# Altium PCB iiot_with_chip.PcbDoc (continued)
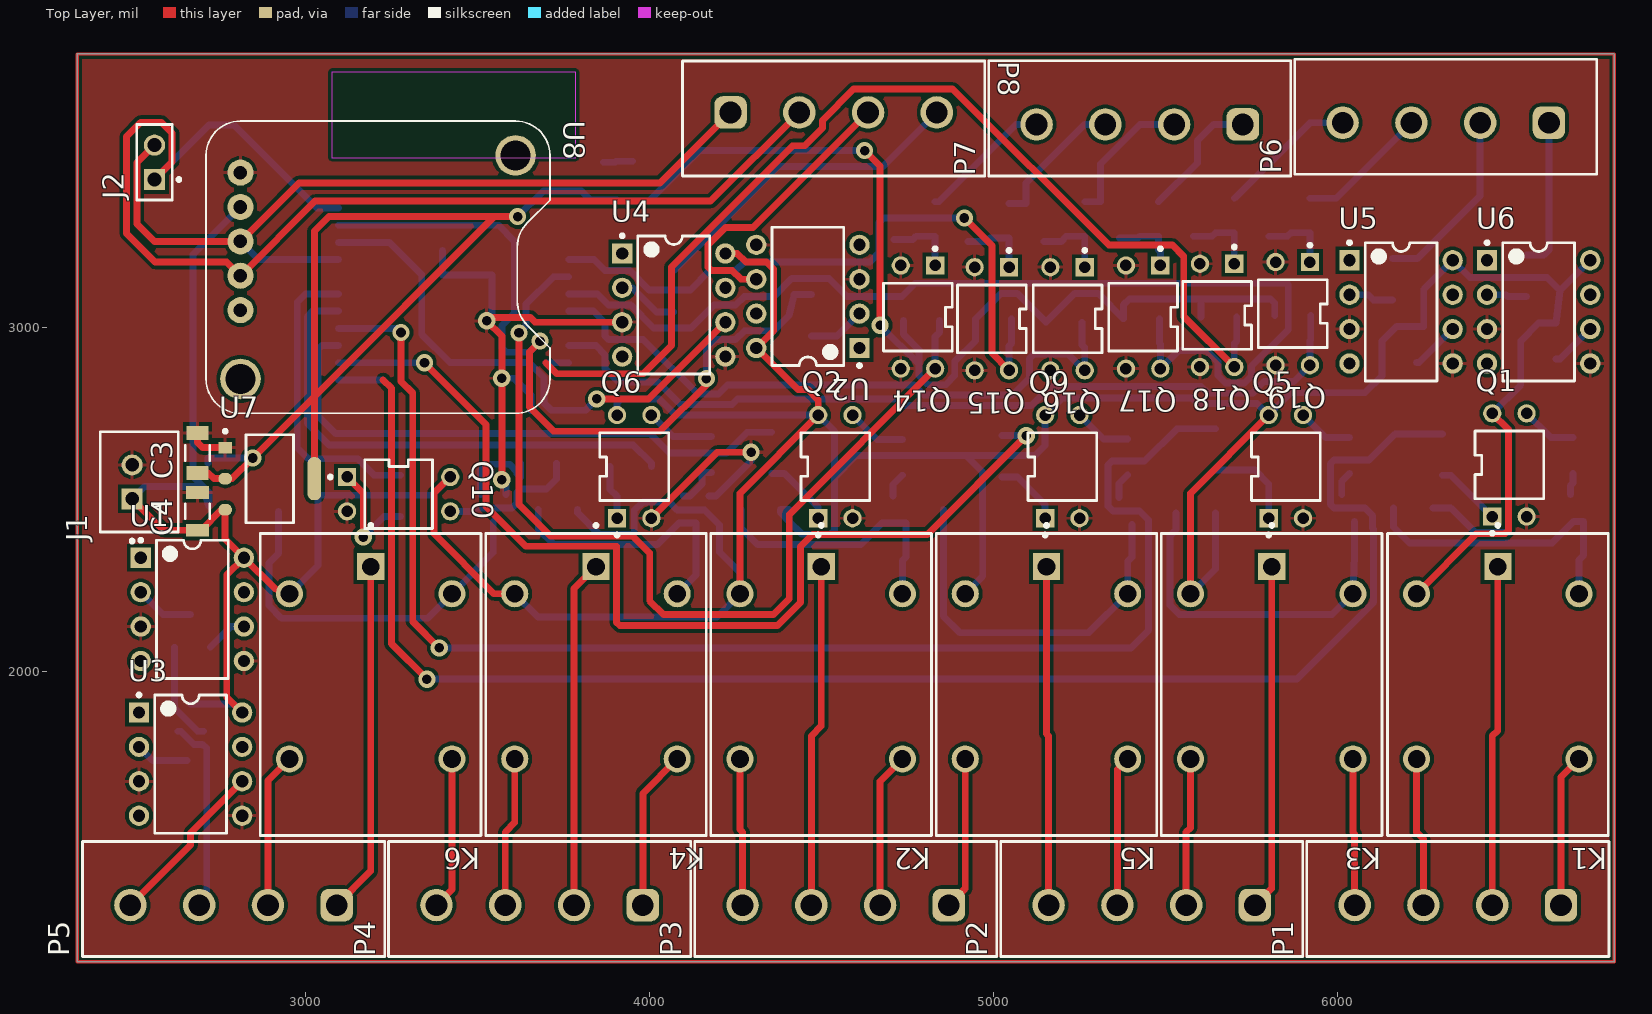
[diagram p0: Top Layer view]
## Part data
C1 C3 C5: library part CMP-06035-003589-1, "Chip Multilayer Ceramic Capacitors for General Purpose, 1206, 10uF, X7R, 15%, 10%, 25V", Capacitance=10uF, Case Code (Imperial)=1206, Case Code (Metric)=3216, Dielectric=X7R, Max Operating Temperature=125°C, Min Operating Temperature=-55°C, Package Quantity=1, Tolerance=10%, Voltage=25V, Case/Package=1206, Depth=1.6mm, Height=1.6mm, Lead Free="Lead Free", Length=3.2mm, Material=Ceramic, Mount="Surface Mount", Number of Pins=2, Packaging="Tape and Reel", Radiation Hardening=No, REACH SVHC="No SVHC", Termination=SMD/SMT, Thickness=0.071inch, Voltage Rating=25V, Voltage Rating (DC)=25V, Width=1.6mm
C2 C4 C6: library part CMP-1037-04222-2, "CAP CER 0.1UF 200V 10% X7R 1206", Capacitance="0.10 μF", Manufacturer=KEMET, Package=C1206C-EB, Temperature="-55°C to +150°C", Temperature Characteristic=X7R, Temperature Coefficient=15%, Temperature Range High=+150°C, Temperature Range Low=-55°C, Tolerance=0.1, Voltage Rating="200 V", Automotive=Yes, Automotive Grade="Grade 0", Category=Cap, ComponentLink2Description=Datasheet, ComponentLink2URL=https://content.kemet.com/datasheets/KEM_C1007_X8R_ULTRA_150C_SMD.pdf, Device Class L1="Passive Components", Device Class L2=Capacitors, Device Class L3="Ceramic Capacitors", Digikey Description="CAP CER 0.1UF 200V 10% X7R 1206", Height=0.88mm, Ipc Land Pattern Name=CAPC320160X78, Lead Free=Yes, Manufacturer Part Number=C1206C104K2RACTU, Material=Ceramic, Mouser Description="Multilayer Ceramic Capacitors MLCC - SMD/SMT 200volts 0.1uF X7R 10%", Octopart=https://octopart.com/c1206c104k2ractu-kemet-9138344, RoHS=TRUE
D1 D2 D3 D4 D5 D6: library part CMP-12389-000001-1, "Rectifier, 1Kv, 1A, Do-214Ac Rohs Compliant: Yes"
D7 D8 D9 D10 D11 D12: library part CMP-1060-00600-1, "Zener Voltage Regulator, 500 mW, 2-Pin SOD-123, Pb-Free, Tape and Reel", Manufacturer="On Semiconductor", ComponentLink1Description="Manufacturer URL", ComponentLink1URL=http://www.onsemi.com/, ComponentLink2Description=Datasheet, ComponentLink2URL=http://www.onsemi.com/pub_link/Collateral/MMSZ4678T1-D.PDF, ComponentLink3Description="Package Specification", ComponentLink3URL=http://www.onsemi.com/pub_link/Collateral/425-04.PDF, DatasheetVersion="Rev. 9", Mounting Technology="Surface Mount", P Max (W)=0.5, PackageDescription="2-Pin SOD, Body 1.6 x 2.69 mm", PackageReference=SOD-123-2-425-04, PackageVersion="Rev. G, 10/2009", Packing="Tape and Reel", PartNumber=MMSZ4683T1G, RoHS=Pb-Free, VZ Typ (V)=3
J1: library part CMP-2000-05888-3, "CONN HEADER VERT 2POS 2.5MM", Color=Natural, Contact Resistance=20mR, Current Rating=3A, Housing Color=White, Insulation Resistance=1GR, Max Operating Temperature=85°C, Max Voltage Rating (AC)=250V, Min Operating Temperature=-25°C, Connector Type="Male Pin", Contact Material=Brass, Contact Plating=Tin, Contact Type="Male Pin", Depth=5.75mm, Fastening Type=Detent, Housing Material=Polyamide, Lead Free="Lead Free", Lead Pitch=2.5mm, Length=7.4mm, Max Current Rating=3A, Max Voltage Rating (DC)=250V, Mount="Through Hole", Number of Contacts=2, Number of Positions=2, Number of Rows=1, Orientation=Straight, Packaging=Bulk, Pitch=2.5mm, REACH SVHC="No SVHC", Series=XH, Termination=Solder, Voltage Rating=250V, Voltage Rating (AC)=250V, Wire/Cable Gauge=22AWG
J2: library part CMP-15831-000105-1, "CONN HEADER VERT 2POS 2.54MM", Case/Package=SIL, Color=Black, Contact Resistance=25mR, Current=3A, Flammability Rating="UL94 V-0", Insulation Resistance=10GR, Max Operating Temperature=105°C, Min Operating Temperature=-40°C, Package Quantity=1000, Voltage=50V, Voltage Rating (AC)=750V, Connector Type="Male Pin", Contact Finish - Mating=GOLD, Contact Material=Brass, Contact Mating Length=0.24inch, Contact Plating=Gold, Contact Shape=Square, Contact Type="Male Pin", Current Rating=3A, Depth=2.54mm, Fastening Type=Pull, Gender=Male, Height=0.12inch, Housing Color=Black, Housing Material=Nylon, Insulation Color=Black, Insulation Material=Nylon, Lead Pitch=2.54mm, Length=5.08mm, Mated Stacking Heights=16.54mm, Mating Cycles=300, Max Current Rating=3A, Mount="Through Hole", Number of Contacts=2, Number of Poles=2, Number of Positions=2, Number of Rows=1, Orientation=Straight, Packaging=Bulk, Pitch=2.54mm, Radiation Hardening=No, Reach SVHC Compliant=Yes, Series=M20, Termination=Solder, Weight=0.25lb, Width=0.25inch, Working Voltage=750V
K1 K2 K3 K4 K5 K6: library part CMP-00287-00689748-1, "JS1-B-5V-F Electromechanical Relay 5VDC 69.4Ohm 5ADC/10AAC SPDT (22x16x16.4)mm THT Power Relay", Ambient Temperature Range High=85°C, Coil Current=72mA, Coil Power=360mW, Coil Resistance=69.4Ω, Coil Voltage (DC)=5V, Contact Current Rating=10A, Max Voltage Rating (AC)=250V, Max Voltage Rating (DC)=100V, Min Operating Temperature=-40°C, Coil Type=Non-Latching, Contact Material="Silver, Tin", Current Rating=10A, Depth=16mm, Height=16mm, Lead Free="Lead Free", Length=22mm, Max Current Rating=10A, Max Operating Temperature=85°C, Mount="Through Hole", NexarPartId=689748, Number of Contacts=1, Number of Pins=5, Operate Time=10ms, Packaging=Bulk, Power Consumption=360mW, Power Rating=360mW, REACH SVHC="No SVHC", Relay Type="General Purpose", Release Time=10ms, RoHS=Compliant, Switching Current=10A, Termination="PC Pin", Throw Configuration=SPDT, Voltage Rating (AC)=250V, Weight=12g, Width=22mm
MD1: library part CMP-194065-000009-1, "RX TXRX MOD WIFI TRACE ANT SMD"
P1 P2 P3 P4 P5 P6 P7 P8: library part CMP-1502-02148-2, Color=Green, Current=20A, Voltage=300V, Contact Material=Brass, Contact Plating=Tin, Gender=Male, Height=12mm, Lead Pitch=5.08mm, Length=8.5mm, Mount="Through Hole", NexarPartId=8917749, Number of Contacts=4, Number of Levels=1, Number of Pins=4, Number of Positions Per Level=4, Number of Rows=1, Orientation=Vertical, Packaging=Box, Pitch=5.08mm, REACH SVHC=Unknown, RoHS=Compliant, Termination=Solder, Width=22.32mm
Q1 Q2 Q5 Q6 Q9 Q10 Q14 Q15 Q16 Q17 Q18 Q19: library part CMP-65434-000003-1, "OPTOISOLATOR 5KV TRANS 4DIP", Case/Package=DIP, Collector Emitter Breakdown Voltage=80V, Collector Emitter Saturation Voltage=200mV, Current Transfer Ratio=600%, Forward Current=50mA, Forward Voltage=1.4V, Input Current=20mA, Isolation Voltage=5kV, Max Operating Temperature=100°C, Max Power Dissipation=200mW, Min Operating Temperature=-30°C, Package Quantity=2000, Reverse Breakdown Voltage=6V, Collector Emitter Voltage (VCEO)=80V, Fall Time=18000ns, Max Collector Current=50mA, Max Input Current=50mA, Mount="Through Hole", Number of Channels=1, Number of Elements=1, Number of Pins=4, Output Current per Channel=50mA, Output Voltage=80V, Packaging=Sleeve, Power Dissipation=200mW, Radiation Hardening=No, Rise Time=18000ns
Q3 Q4 Q7 Q8 Q11 Q12 Q13: library part CMP-14406-000007-1, "TRANS NPN 45V 0.5A SOT23", Ambient Temperature Range High=+150°C, Ambient Temperature Range Low=-65°C, Collector Base Voltage=50V, Collector Emitter Breakdown Voltage=45V, Collector Emitter Saturation Voltage=700mV, Emitter Base Voltage=5V, Manufacturer=Nexperia, Max Collector Current=500mA, Package=SOT23, Power Dissipation=250mW, Temperature="to +150°C", Unity Gain Freq=100MHz, Automotive=Yes, Automotive Grade="Grade 0", Category=Trans, Collector Emitter Voltage=45V, ComponentLink2Description=Datasheet, ComponentLink2URL=https://assets.nexperia.com/documents/data-sheet/BC817_SER.pdf, Device Class L1="Discrete Semiconductors", Device Class L2=Transistors, Device Class L3=BJTs, Digikey Description="TRANS NPN 45V 0.5A SOT23", Footprint Url=https://assets.nexperia.com/documents/outline-drawing/SOT23.pdf, Height=1.1mm, Hfe Max=600, hFE Min=250, Hfe Testic=100mA, Hfe Testvce=1V, Ipc Land Pattern Name=SOT95P230X100-3, Lead Free=Yes, Manufacturer Part Number=BC817-40,215, Max Junction Temp=+150°C, Mouser Description="BC817 Series 45 V 500 mA 250 mW SMT NPN General-Purpose Transistor - SOT-23-", Number of Elements=1, Number Of Npn=1, Octopart=https://octopart.com/bc817-40%2C215-nexperia-78739081, RoHS=TRUE, Rthja Max=500K/W, Temperature Range High=+150°C
R1 R2 R5 R6 R9 R10 R13 R15 R16 R29 R30 R31: library part CMP-02407-010853-1, "RES Thick Film, 330Ω, 1%, 0.25W, 100ppm/°C, 1206", Case Code (Imperial)=1206, Case Code (Metric)=3216, Max Operating Temperature=155°C, Max Power Dissipation=250mW, Min Operating Temperature=-55°C, Package Quantity=10000, Resistance=330R, Temperature Coefficient=100ppm/°C, Tolerance=1%, Voltage Rating=200V, Case/Package=1206, Composition="Thick Film", Features="Automotive AEC-Q200", Height=0.024inch, Lead Free="Lead Free", Length=0.126inch, Number of Terminations=2, Packaging="Tape and Reel", Power Rating=250mW, Weight=0.000353oz, Width=0.063inch
R3 R4 R7 R8 R11 R12 R14 R18 R20 R22 R24 R26 R28 R32 R33: library part CMP-2003-04807-2, "RES Thick Film, 10kΩ, 1%, 0.25W, 100ppm/°C, 1206", Case Code (Imperial)=1206, Case Code (Metric)=3216, Max Operating Temperature=155°C, Max Power Dissipation=250mW, Min Operating Temperature=-55°C, Package Quantity=10, Resistance=10kR, Temperature Coefficient=100ppm/°C, Tolerance=1%, Voltage Rating=200V, Case/Package=1206, Composition="Thick Film", Contact Plating=Tin, Depth=1.6mm, Features="Automotive AEC-Q200", Height=0.55mm, Lead Free="Lead Free", Length=3.2mm, Military Standard=Not, Number of Pins=2, Number of Terminations=2, Packaging="Tape and Reel", Power Rating=250mW, Radiation Hardening=No, Termination=SMD/SMT, Voltage Rating (DC)=200V, Weight=0.000353oz, Width=0.063inch, Working Voltage=200V
R17 R19 R21 R23 R25 R27: library part CMP-2003-04874-2, "RES SMD 1K OHM 1% 3/4W 1206", Manufacturer=Vishay, Package=CRCW1206-HPe3, Power Rating=0.75W, Resistance=1kΩ, Temperature="-55°C to +155°C", Temperature Coefficient=100ppm/°C, Temperature Range High=+155°C, Temperature Range Low=-55°C, Tolerance=1%, Voltage Rating=200V, Automotive=Yes, Automotive Grade="Grade 0", Category=Res, ComponentLink2Description=Datasheet, ComponentLink2URL=http://www.vishay.com/docs/20043/crcwhpe3.pdf, Composition="Thick Film", Device Class L1="Passive Components", Device Class L2=Resistors, Device Class L3="Chip SMD Resistors", Digikey Description="RES SMD 1K OHM 1% 3/4W 1206", Height=0.65mm, Ipc Land Pattern Name=RESC310160X50, Lead Free=Yes, Manufacturer Part Number=CRCW12061K00FKEAHP, Mouser Description="Res Thick Film 1206 1K Ohm 1% 0.75W ±100ppm/°C Molded SMD SMD Paper T/R", Octopart=https://octopart.com/crcw12061k00fkeahp-vishay-42635114, RoHS=TRUE, Series="CRCW-HP e3"
U1 U2 U3 U4 U5 U6: library part CMP-2000-05669-1, "High Speed Optocoupler, Single and Dual, 10 MBd, 5 V, -40 to 100 degC, 8-Pin DIP, RoHS, Tube", Isolation Voltage=5.3kV, Manufacturer=Vishay, Optocoupler Case Style=DIP, Package Description="8-Pin Double In-line Package, Body 10.16 x 6.7 mm, Pitch 2.54 mm", Package Reference=DIP-8, Data Rate=10Mbaud, Datasheet URL=http://www.vishay.com/docs/84732/6n137.pdf, Datasheet Version="Rev. 1.9, 03/2015", Manufacturer URL=http://www.vishay.com/, Mounting Technology=ThroughHole, No. of Channels=1Channel, No. of Pins=8Pins, Packaging=Each, Product Range=-, SVHC=ToBeAdvised
U7: library part CMP-209535-000001-1, "LDO Voltage Regulators 1A, 3.3V", Dropout Voltage=1.1V, Manufacturer="Advanced Monolithic Systems", Max Junction Temp=+125°C, Max Power Dissipation=1.2W, Max Supply Voltage=15V, Nominal Supply Current=5mA, Output Current=1A, Output Voltage=3.3V, Package=AMS1117, Temperature="-40°C to +125°C", Temperature Range Low=-40°C, Automotive=No, Category=IC, ComponentLink2Description=Datasheet, ComponentLink2URL=http://www.advanced-monolithic.com/pdf/ds1117.pdf, Device Class L1="Integrated Circuits (ICs)", Device Class L2="Power Management ICs", Device Class L3="Voltage Regulators - Linear", Height=1.8mm, Ipc Land Pattern Name=SOT229P700X180-4, Lead Free=Yes, Manufacturer Part Number=AMS1117-3.3, Number Of Outputs=1, Octopart=https://octopart.com/ams1117-3.3-advanced+monolithic+systems-25899300, Output Type=Fixed, RoHS=TRUE, Standoff Height=0.64mm, Temperature Range High=+125°C
U8: "DS1307 Real Time Clock (RTC) Timing Evaluation Board", Package=None, Availability="In Stock", Check_prices=https://www.snapeda.com/parts/3296/Adafruit+Industries/view-part/?ref=eda, MF=Adafruit, MP=3296, Price=None, Purchase-URL=https://pricing.snapeda.com/search/part/3296/?ref=eda, SnapEDA_Link=https://www.snapeda.com/parts/3296/Adafruit+Industries/view-part/?ref=snap

## Via types
v1: diameter 50, hole 28, Top Layer to Bottom Layer, 19 vias

## Nets (pads, with @x,y where several pads share a name; then routed paths per layer and width w, separated by ;. In a path a pad name is that pad's centre, name@x,y a point inside that pad or via, vN(x,y) a via of type N, cw(c..) or ccw(c..) an arc to the next point about the centre after c; other vN are vias at no path point)
+3.3: C2.1 C3.1 C5.1 C6.1 MD1.2 R18.2 R20.2 R22.2 R24.2 R26.2 R28.2 U7.2 U7.4 | length 6096
  Top Layer w20: C3.1 2716,2576.93 2732.93,2560 U7.2 2786,2560 v1(2846,2620) 3025,2799 ; U7.4 3025,2799 ; v1(3615.91,3322) 3548,3322 ; v1(4625,3514) 4670,3469 v1(4670,3006) ; 3025,2799 3548,3322 ; 3025,2799 3025,3280 3067,3322 3548,3322
  Bottom Layer w20: C2.1 2715.12,2620 v1(2846,2620) ; v1(3615.91,3322) 3691,3397.09 MD1.2 3801,3397.09 3828.09,3370 C6.1 3905,3370 3908.07,3366.93 C5.1 3998,3366.93 4145.07,3514 v1(4625,3514) ; v1(4670,3006) 4783,2893 ; R18.2 4737.79,2980 4783,2934.79 4783,2893 ; R26.2 5602.79,3083 ; R28.2 5817.79,3070 5804.79,3083 5602.79,3083 ; 4783,2893 4783,2860 4810,2833 4860,2833 4887,2860 4887,2900.21 4947.79,2961 R20.2 5021.22,3098.42 5069.37,3098.42 R22.2 5235.79,3098 5304.79,3098 R24.2 5377.79,3065.79 5395,3083 5602.79,3083
+5: C1.1 C4.1 D1.1 D2.1 D3.1 D4.1 D5.1 D6.1 J1.1 K1.2 K2.2 K3.2 K4.2 K5.2 K6.2 Q1.4 Q2.4 Q5.4 Q6.4 Q9.4 Q10.4 Q13.3 R32.2 R33.2 U1.8 U2.8 U3.8 U4.8 U5.8 U6.8 U7.3 U8.4 | length 13667.8
  Top Layer w20: J1.1 2586.69,2409.88 C4.1 2695,2409.88 2754.96,2469.84 U7.3 2765.55,2384.45 U1.8 ; U3.8 2770,1925 2770,2280 U1.8 ; K6.2 2910,2240 U1.8 ; Q10.4 3373,2518 3373,2400 3547.68,2225.32 K4.2 ; U4.8 4254.53,3215 4279.53,3190 4340,3190 4360,3170 4360,2990 U2.8 4431,2819 4460,2819 4490,2789 Q2.4 4262.56,2517.56 K2.2 ; K3.2 5572.56,2517.56 Q5.4 ; K1.2 6404.69,2400 6487,2400 6497,2410 6497,2703 Q1.4
  Bottom Layer w20: J1.1 2530.43,2537 2701.07,2537 ; Q13.3 2790.63,1904.37 U3.8 ; U8.4 2672,3212 2672,2566.07 2701.07,2537 ; K6.2 3035,2307.76 D6.1 3035,2512 3367,2512 Q10.4 ; K4.2 3674.88,2158 4195.24,2158 K2.2 4262.56,2287 4203,2346.56 4203,2426 4160,2469 4080,2469 4057,2492 3980,2492 3955,2467 3955,2401.42 3952,2398.42 3852.58,2398.42 3790,2461 D4.1 ; Q6.4 3905,2780 3917,2792 4027.98,2792 4074.98,2745 Q2.4 4537,2698 4537,2564 ; K5.2 4968.43,2276.18 D5.1 4968,2470 4968,2579 4920,2627 ; K3.2 5645,2297.76 D3.1 ; D1.1 6329.42,2475 6401,2403.42 6497,2403.42 6497,2703 Q1.4 6533,2833 6533,2960 6585.21,3012.21 R33.2 6647.5,3107.5 ; U6.8 6647.5,3107.5 ; 2701.07,2537 2718.07,2520 C1.1 2701.07,2537 ; D2.1@4405.42,2436 4405.42,2470 D2.1 4380,2461.42 D2.1@4405.42,2436 ; D2.1@4405.42,2436 4443,2398.42 4525.42,2398.42 4537,2410 4537,2564 ; 4537,2564 4600,2627 4920,2627 ; 4920,2627 5120,2627 5150,2657 Q9.4 5200,2795 5576.85,2795 5593.42,2778.42 5766.58,2778.42 Q5.4 5865,2810 6080,2810 6129,2859 6129,2960 6171.21,3002.21 R32.2 6251,3002.21 6251,3111 U5.8 6385,3145 6610,3145 6647.5,3107.5
GND: C1.2 C2.2 C3.2 C4.2 C5.2 C6.2 D7.2 D8.2 D9.2 D10.2 D11.2 D12.2 J1.2 MD1.1 MD1.15 MD1.38 MD1.39 Q1.2 Q2.2 Q3.2 Q4.2 Q5.2 Q6.2 Q7.2 Q8.2 Q9.2 Q10.2 Q11.2 Q12.2 Q14.2 Q14.3 Q15.2 Q15.3 Q16.2 Q16.3 Q17.2 Q17.3 Q18.2 Q18.3 Q19.2 Q19.3 U1.3 U1.5 U2.3 U2.5 U3.3 U3.5 U4.3 U4.5 U5.3 U5.5 U6.3 U6.5 U7.1 U8.5 | length 2199.6
  Top Layer w20: C3.2 2685,2665.16 2700,2650.16 U7.1 ; v1(3570,2557) v1(3570,2852) 3570,2975 v1(3526,3019) 3536,3029 3653,3029 3667,3015 U4.3 ; Q6.2 4197,2637 v1(4295,2637)
  Bottom Layer w20: MD1.39@3397.13,3224.05 3397.13,3151.81 3469.37,3151.81 3541.61,3151.81 3541.61,3079.57 3541.61,3034.61 v1(3526,3019) ; v1(3570,2557) 3582.4,2544.6 Q12.2 ; v1(3570,2852) 3606,2852 3655,2803 MD1.15 ; C6.2 3900,3480.24 3902.83,3483.07 C5.2 ; Q8.2 4193.37,2509.37 4295,2611 v1(4295,2637)
NetD1_2: D1.2 K1.5 Q3.3 | length 867.4
  Bottom Layer w20: D1.2 6163.43,2419.57 6209.58,2373.42 6624.42,2373.42 6686.63,2435.63 Q3.3 6715,2336.56 6702.44,2324 K1.5
NetD2_2: D2.2 K2.5 Q4.3 | length 788
  Bottom Layer w20: D2.2 4265.83,2416.17 4313.58,2368.42 4613.79,2368.42 4676,2430.63 Q4.3 4745,2332 4735,2322 K2.5
NetD3_2: D3.2 K3.5 Q7.3 | length 1054
  Bottom Layer w20: D3.2 5530.83,2411.83 5513,2394 5513,2192 5540,2165 5984.68,2165 K3.5 6050,2335 Q7.3
NetD4_2: D4.2 K4.5 Q8.3 | length 787.8
  Bottom Layer w20: D4.2 3675.83,2414.17 3721.58,2368.42 4022.79,2368.42 4085,2430.63 Q8.3 4135,2280.32 K4.5
NetD5_2: D5.2 K5.5 Q11.3 | length 1118.9
  Bottom Layer w20: D5.2 4854.25,2159.75 4902,2112 5276.68,2112 K5.5 5390,2319 5402.6,2331.6 Q11.3
NetD6_2: D6.2 K6.5 Q12.3 | length 1122.4
  Bottom Layer w20: D6.2 2920.83,2342.83 2893,2315 2893,2191 2930,2154 3353.68,2154 K6.5 3545,2345.32 Q12.3
NetD7_1: D7.1 Q14.1 R17.1 | length 208.2
  Bottom Layer w20: D7.1 4765,3255 4775,3265 R17.1 Q14.1
NetD8_1: D8.1 Q15.1 R19.1 | length 208.2
  Bottom Layer w20: D8.1 4980,3250 4990,3260 R19.1 Q15.1
NetD9_1: D9.1 Q16.1 R21.1 | length 215.3
  Bottom Layer w20: D9.1 5197,3250 5212,3265 R21.1 Q16.1
NetD10_1: D10.1 Q17.1 R23.1 | length 203.2
  Bottom Layer w20: D10.1 5420,3260 5425,3265 R23.1 5480,3225 5485,3220 Q17.1
NetD11_1: D11.1 Q18.1 R25.1 | length 213.2
  Bottom Layer w20: D11.1 5635,3265 5645,3275 R25.1 Q18.1
NetD12_1: D12.1 Q19.1 R27.1 | length 208.2
  Bottom Layer w20: D12.1 5855,3265 5865,3275 R27.1 Q19.1
NetJ2_1: J2.1 MD1.36 P8.2 U8.2 | length 3504.2
  Top Layer w20: J2.1 2611,3481 2611,3565 2580,3596 2520,3596 2479,3555 2479,3273 2562,3190 2770,3190 U8.2 3027,3367 4177,3367 P8.2
  Bottom Layer w20: J2.1 2718,3588 2791.91,3588 3032.83,3347.09 MD1.36
NetJ2_2: J2.2 MD1.33 P8.1 U8.3 | length 2459.9
  Top Layer w20: J2.2 2509,3479 2509,3301 2560,3250 U8.3 2980,3420 4030,3420 P8.1
  Bottom Layer w20: U8.3 2862.91,3197.09 MD1.33
NetK1_1: K1.1 P1.2 | length 990.8
  Top Layer w20: P1.2 6450,1812 6466.22,1828.22 K1.1
NetK1_3: K1.3 P1.3 | length 433.3
  Top Layer w20: K1.3 6230,1532 6250,1512 P1.3
NetK1_4: K1.4 P1.1 | length 446.7
  Top Layer w20: P1.1 6650,1692.56 K1.4
NetK2_1: K2.1 P3.3 | length 996
  Top Layer w20: P3.3 4470,1812 4498.78,1840.78 K2.1
NetK2_3: K2.3 P3.4 | length 428.1
  Top Layer w20: K2.3 4262.56,1539.44 4270,1532 P3.4
NetK2_4: K2.4 P3.2 | length 451.9
  Top Layer w20: P3.2 4670,1680 K2.4
NetK3_1: K3.1 P2.1 | length 1004.3
  Top Layer w20: P2.1 5808.78,1368.78 K3.1
NetK3_3: K3.3 P2.2 | length 430.2
  Top Layer w20: P2.2 5560,1532 5572.56,1544.56 K3.3
NetK3_4: K3.4 P1.4 | length 427.1
  Top Layer w20: K3.4 6045,1532 6050,1527 P1.4
NetK4_1: K4.1 P4.2 | length 1010.5
  Top Layer w20: P4.2 3780,2240.28 K4.1
NetK4_3: K4.3 P4.3 | length 436.4
  Top Layer w20: P4.3 3580,1532 3607.56,1559.56 K4.3
NetK4_4: K4.4 P4.1 | length 466.4
  Top Layer w20: P4.1 3980,1645 K4.4
NetK5_1: K5.1 P2.4 | length 986.6
  Top Layer w20: K5.1 5153.78,1818.22 5160,1812 P2.4
NetK5_3: K5.3 P3.1 | length 444.7
  Top Layer w20: P3.1 4917.56,1367.56 K5.3
NetK5_4: K5.4 P2.3 | length 437.4
  Top Layer w20: P2.3 5360,1715 K5.4
NetK6_1: K6.1 P5.1 | length 1025
  Top Layer w20: P5.1 3188.78,1418.78 K6.1
NetK6_3: K6.3 P5.2 | length 450.9
  Top Layer w20: P5.2 2890,1682.44 K6.3
NetK6_4: K6.4 P4.4 | length 443.6
  Top Layer w20: P4.4 3425,1365 K6.4
NetMD1_6: MD1.6 Q15.4 R20.1 | length 1974.8
  Top Layer w20: v1(4915,3318) 4995,3238 4995,2925 Q15.4
  Bottom Layer w20: MD1.6 3837.91,3197.09 3870,3165 3942.35,3165 3998.35,3109 4118,3109 4174,3165 4250,3165 4275,3190 4640,3190 4666,3216 4666,3304 4680,3318 v1(4915,3318) ; Q15.4 5045,2946 5052.21,2953.21 R20.1
NetMD1_7: MD1.7 Q14.4 R18.1 | length 2756.8
  Top Layer w20: v1(3620,2984) 3620,2485 3711.57,2393.43 3950.42,2393.43 4000,2343.85 4000,2205 4040,2165 4360,2165 4406,2211 4406,2456 Q14.4
  Bottom Layer w20: v1(3620,2984) 3640.46,3004.46 3640.46,3067.55 3720,3147.09 MD1.7 ; Q14.4 4830,2972.72 4842.21,2984.92 R18.1
NetMD1_8: MD1.8 Q17.4 R24.1 | length 3045.1
  Bottom Layer w20: MD1.8 3848,3097.09 3880.56,3064.53 3945,3064.53 4011.53,2998 4120,2998 4187,3065 4250,3065 4275,3090 4361,3090 4413,3142 4522,3142 4574,3090 4734,3090 4772.42,3128.42 5852.58,3128.42 5857,3124 5857,2994 5750,2887 5750,2859 5729.42,2838.42 5674.58,2838.42 5653,2860 5653,2900 5621,2932 5537,2932 Q17.4 5485,2951 5482.21,2953.79 R24.1
NetMD1_9: MD1.9 Q16.4 R22.1 | length 1891.3
  Bottom Layer w20: MD1.9 3836,3047.09 3870,3013.09 3870,2975 3880,2965 3981,2965 4140,2806 4200,2806 4226,2832 4768.57,2832 4797.57,2803 5054.58,2803 5105,2853.42 5105,2910 5118,2923 5217,2923 Q16.4 5265,2941 5257.21,2948.79 R22.1
NetMD1_11: MD1.11 Q19.4 R28.1 | length 2474.7
  Bottom Layer w20: MD1.11 3843.39,2947.09 3870.47,2920 3870.47,2880 3909.27,2841.2 4024.77,2841.2 4089.98,2776 4240,2776 4256,2792 4723,2792 4742,2773 5109.58,2773 5164.58,2828 5603.85,2828 5623.42,2808.42 5752.42,2808.42 5787,2843 5873,2843 Q19.4 5920,2961 5922.21,2963.21 R28.1
NetMD1_12: MD1.12 Q18.4 R26.1 | length 3155.9
  Top Layer w20: 3697.91,2897.09 3730,2865 3980.19,2865 4063,2947.81 4063,3175.43 4415.57,3528 4450,3528 4502,3580 4502,3602 4593,3693 4881,3693 5335,3239 5520,3239 5553,3206 5553,3032 Q18.4
  Bottom Layer w20: 3697.91,2897.09 MD1.12 ; Q18.4 5700,2953 5707.21,2960.21 R26.1
NetMD1_26: MD1.26 R1.2 | length 4766.8
  Top Layer w20: 3224.91,2847.09 3249,2823 3249,2080 v1(3352,1977)
  Bottom Layer w20: MD1.26 3224.91,2847.09 ; v1(3352,1977) 5882,1977 6105,2200 6105,2413 6102,2416 6102,2453 6080,2475 5990,2475 5980,2485 5980,2604 5990,2614 6092,2614 6168,2690 R1.2
NetMD1_27: MD1.27 R9.2 | length 2979.5
  Top Layer w20: v1(3345,2897.09) 3524.49,2717.6 3524.49,2479.51 3640.57,2363.43 3904,2363.43 3904,2142 3913,2133 4372,2133 4439,2200 4439,2363 4474,2398 4807.92,2398 v1(5095,2685.08)
  Bottom Layer w20: MD1.27 v1(3345,2897.09) ; R9.2 v1(5095,2685.08)
NetMD1_28: MD1.28 R2.2 | length 1647.5
  Bottom Layer w20: MD1.28 3047.09,2947.09 3035,2935 3035,2742.01 3086.01,2691 4001,2691 4057,2635 4223,2635 4283,2695 R2.2
NetMD1_29: MD1.29 R5.2 | length 4163.5
  Top Layer w20: v1(3277,2985) 3277,2843 3311,2809 3311,2145 v1(3388,2068)
  Bottom Layer w20: MD1.29 3264.91,2997.09 v1(3277,2985) ; v1(3388,2068) 5400,2068 5450,2118 5450,2440 5424,2466 5347,2466 5333,2480 5333,2600 5344,2611 5438.84,2611 5533,2705.16 R5.2
NetMD1_30: MD1.30 R6.2 | length 1465.8
  Bottom Layer w20: MD1.30 3020,3047.09 3005,3032.09 3005,2721.01 3068.01,2658 3952.08,2658 4005.08,2605 R6.2
NetMD1_31: MD1.31 R10.2 | length 886.5
  Bottom Layer w20: MD1.31 2999.09,3097.09 2975,3073 2975,2650 3007,2618 3150,2618 3198,2570 R10.2
NetMD1_34: MD1.34 U4.6 | length 1578.1
  Top Layer w20: v1(3846,2792) 3997,2792 U4.6
  Bottom Layer w20: MD1.34 3243.91,3247.09 3337,3154 3337,2980 3419.39,2897.61 3649.39,2897.61 3693,2854 3693,2780 3714,2759 3813,2759 v1(3846,2792)
NetMD1_35: MD1.35 R15.2 | length 2286.9
  Top Layer w20: v1(3681,2960) 3650,2929 3650,2768 3720,2698 4030,2698 4165,2833 v1(4165,2851)
  Bottom Layer w20: MD1.35 3560,3297.09 3606,3251.09 3606,3040 3571,3005 3571,2940 3583.39,2927.61 3648.61,2927.61 v1(3681,2960) ; v1(4165,2851) 4165,2940 4190,2965 4250,2965 4275,2990 4360,2990 4405,3035 4420,3095.08 R15.2
NetP5_3: P5.3 Q13.2 | length 569.5
  Bottom Layer w20: Q13.2 2636,1825.63 2674.63,1787 2700,1787 2712,1775 2712,1342 P5.3
NetP5_4: P5.4 U3.6 | length 494.6
  Top Layer w20: P5.4 2665,1495 2665,1530 U3.6
NetP6_1: P6.1 R31.2 | length 441.1
  Bottom Layer w20: R31.2 6600,3210.08 6615,3225.08 P6.1
NetP6_2: P6.2 R30.2 | length 543.3
  Bottom Layer w20: R30.2 6233,3200.08 6415,3382.08 P6.2
NetP6_3: P6.3 R27.2 | length 386
  Bottom Layer w20: R27.2 5995.39,3375.39 P6.3
NetP6_4: P6.4 R25.2 | length 406
  Bottom Layer w20: R25.2 5919.61,3595 P6.4
NetP7_1: P7.1 R23.2 | length 375.9
  Bottom Layer w20: R23.2 5593,3478.39 5593,3543 5640,3590 P7.1
NetP7_2: P7.2 R21.2 | length 417.2
  Bottom Layer w20: R21.2 5311,3365.39 5311,3475 5426,3590 P7.2
NetP7_3: P7.3 R19.2 | length 410
  Bottom Layer w20: R19.2 5094,3360.39 5094,3420 5264,3590 P7.3
NetP7_4: P7.4 R17.2 | length 388
  Bottom Layer w20: R17.2 4841,3365.39 5065.61,3590 P7.4
NetP8_3: P8.3 U2.6 | length 844
  Top Layer w20: U2.6 4265.04,3140 4240.04,3165 4180,3165 4170,3175 4170,3240 4220.5,3290.5 4300.5,3290.5 P8.3
NetP8_4: P8.4 R29.2 | length 955.5
  Bottom Layer w20: R29.2 4372.92,3468 4678,3468 P8.4
NetQ1_1: Q1.1 R1.1 | length 194.6
  Bottom Layer w20: R1.1 6330.16,2569.84 Q1.1
NetQ1_3: Q1.3 R3.2 | length 164.2
  Bottom Layer w20: Q1.3 6620.58,2679.42 R3.2
NetQ2_1: Q2.1 R2.1 | length 207.5
  Bottom Layer w20: R2.1 4392.16,2574.84 4490,2477 Q2.1
NetQ2_3: Q2.3 R4.2 | length 174.2
  Bottom Layer w20: Q2.3 4660.58,2674.42 R4.2
NetQ3_1: Q3.1 R3.1 | length 63.7
  Bottom Layer w20: Q3.1 6677.6,2540 6685,2547.4 R3.1
NetQ4_1: Q4.1 R4.1 | length 72
  Bottom Layer w20: Q4.1 4707.6,2542.6 R4.1
NetQ5_1: Q5.1 R5.1 | length 271.6
  Bottom Layer w20: R5.1 5760,2585 5800,2545 Q5.1
NetQ5_3: Q5.3 R7.2 | length 162.2
  Bottom Layer w20: Q5.3 5965.58,2679.42 R7.2
NetQ6_1: Q6.1 R6.1 | length 158.3
  Bottom Layer w20: R6.1 3884.92,2529.08 3905,2509 Q6.1
NetQ6_3: Q6.3 R8.2 | length 201
  Bottom Layer w20: Q6.3 4067.79,2682.21 R8.2
NetQ7_1: Q7.1 R7.1 | length 69.9
  Bottom Layer w20: Q7.1 6012.6,2552.6 R7.1
NetQ8_1: Q8.1 R8.1 | length 130.5
  Bottom Layer w20: Q8.1 4117,2509.37 4151.63,2544 4151.63,2577.79 R8.1
NetQ9_1: Q9.1 R9.1 | length 198.1
  Bottom Layer w20: R9.1 5070,2564.92 5150,2484.92 Q9.1
NetQ9_3: Q9.3 R11.2 | length 169
  Bottom Layer w20: Q9.3 5320,2675 R11.2
NetQ10_1: Q10.1 R10.1 | length 327.3
  Top Layer w20: Q10.1 3167,2518 v1(3167,2390)
  Bottom Layer w20: v1(3167,2390) 3226.84,2449.84 R10.1
NetQ10_3: Q10.3 R12.2 | length 412
  Bottom Layer w20: Q10.3 3484,2465 3494,2475 3600,2475 3614.49,2489.49 3614.49,2520 3624.49,2530 3700,2530 3729.42,2559.42 R12.2
NetQ11_1: Q11.1 R11.1 | length 75.9
  Bottom Layer w20: Q11.1 5365.2,2545.78 R11.1
NetQ12_1: Q12.1 R12.1 | length 255.1
  Bottom Layer w20: Q12.1 3507.6,2585.11 3524.49,2602 3592.49,2602 3614.49,2580 3614.49,2574.51 3625,2564 R12.1
NetQ13_1: Q13.1 R14.1 | length 289.5
  Bottom Layer w20: R14.1 2617.79,1893 2685.16,1825.63 Q13.1
NetR13_1: R13.1 U1.2 | length 172
  Bottom Layer w20: U1.2 2585.08,2164.92 R13.1
NetR13_2: R13.2
NetR14_2: R14.2 U1.6 | length 122.6
  Bottom Layer w20: R14.2 2782.21,2130 U1.6
NetR15_1: R15.1 U2.2 | length 167
  Bottom Layer w20: R15.1 4544.92,2974.92 U2.2
NetR16_1: R16.1 U3.2 | length 156.5
  Bottom Layer w20: U3.2 2554.92,1740.08 R16.1
NetR16_2: R16.2
NetR29_1: R29.1 U4.2 | length 179
  Bottom Layer w20: U4.2 3949.92,3115 4020,3044.92 R29.1
NetR30_1: R30.1 U5.2 | length 131.2
  Bottom Layer w20: U5.2 6089,3095 6104.08,3079.92 R30.1
NetR31_1: R31.1 U6.2 | length 117.1
  Bottom Layer w20: U6.2 6489,3095 6494.08,3089.92 R31.1
NetR32_1: R32.1 U5.6 | length 145.3
  Bottom Layer w20: R32.1 6237.79,2897.79 U5.6
NetR33_1: R33.1 U6.6 | length 136.1
  Bottom Layer w20: R33.1 6647.79,2907.79 U6.6
pads on no net: MD1.3 MD1.4 MD1.5 MD1.10 MD1.13 MD1.14 MD1.16 MD1.17 MD1.18 MD1.19 MD1.20 MD1.21 MD1.22 MD1.23 MD1.24 MD1.25 MD1.32 MD1.37 U1.1 U1.4 U1.7 U2.1 U2.4 U2.7 U3.1 U3.4 U3.7 U4.1 U4.4 U4.7 U5.1 U5.4 U5.7 U6.1 U6.4 U6.7 U8.1 U8.SH1 U8.SH2
copper on no net: | length 14220
  Top Layer w10: 2335,1155 6805,1155 6805,3795 2335,3795 2335,1155

## Polygon pours and split planes (outlines as drawn)
GND on Bottom Layer "NONET_L-01_P-001" (solid, pour order 0): 2335,3792.13 6810,3788 6810,1155 2331.69,1155
GND on Top Layer "NONET_L-01_P-001" (solid, pour order 1): 2345,3795 6810,3795 6810,1155 2345,1155

## Dimensions
2315,3790 to 2325,1175 on Top Layer
2340,3825 to 6795,3810 on Top Layer